# Allegro board 6089-103-RevB_76.brd (continued)
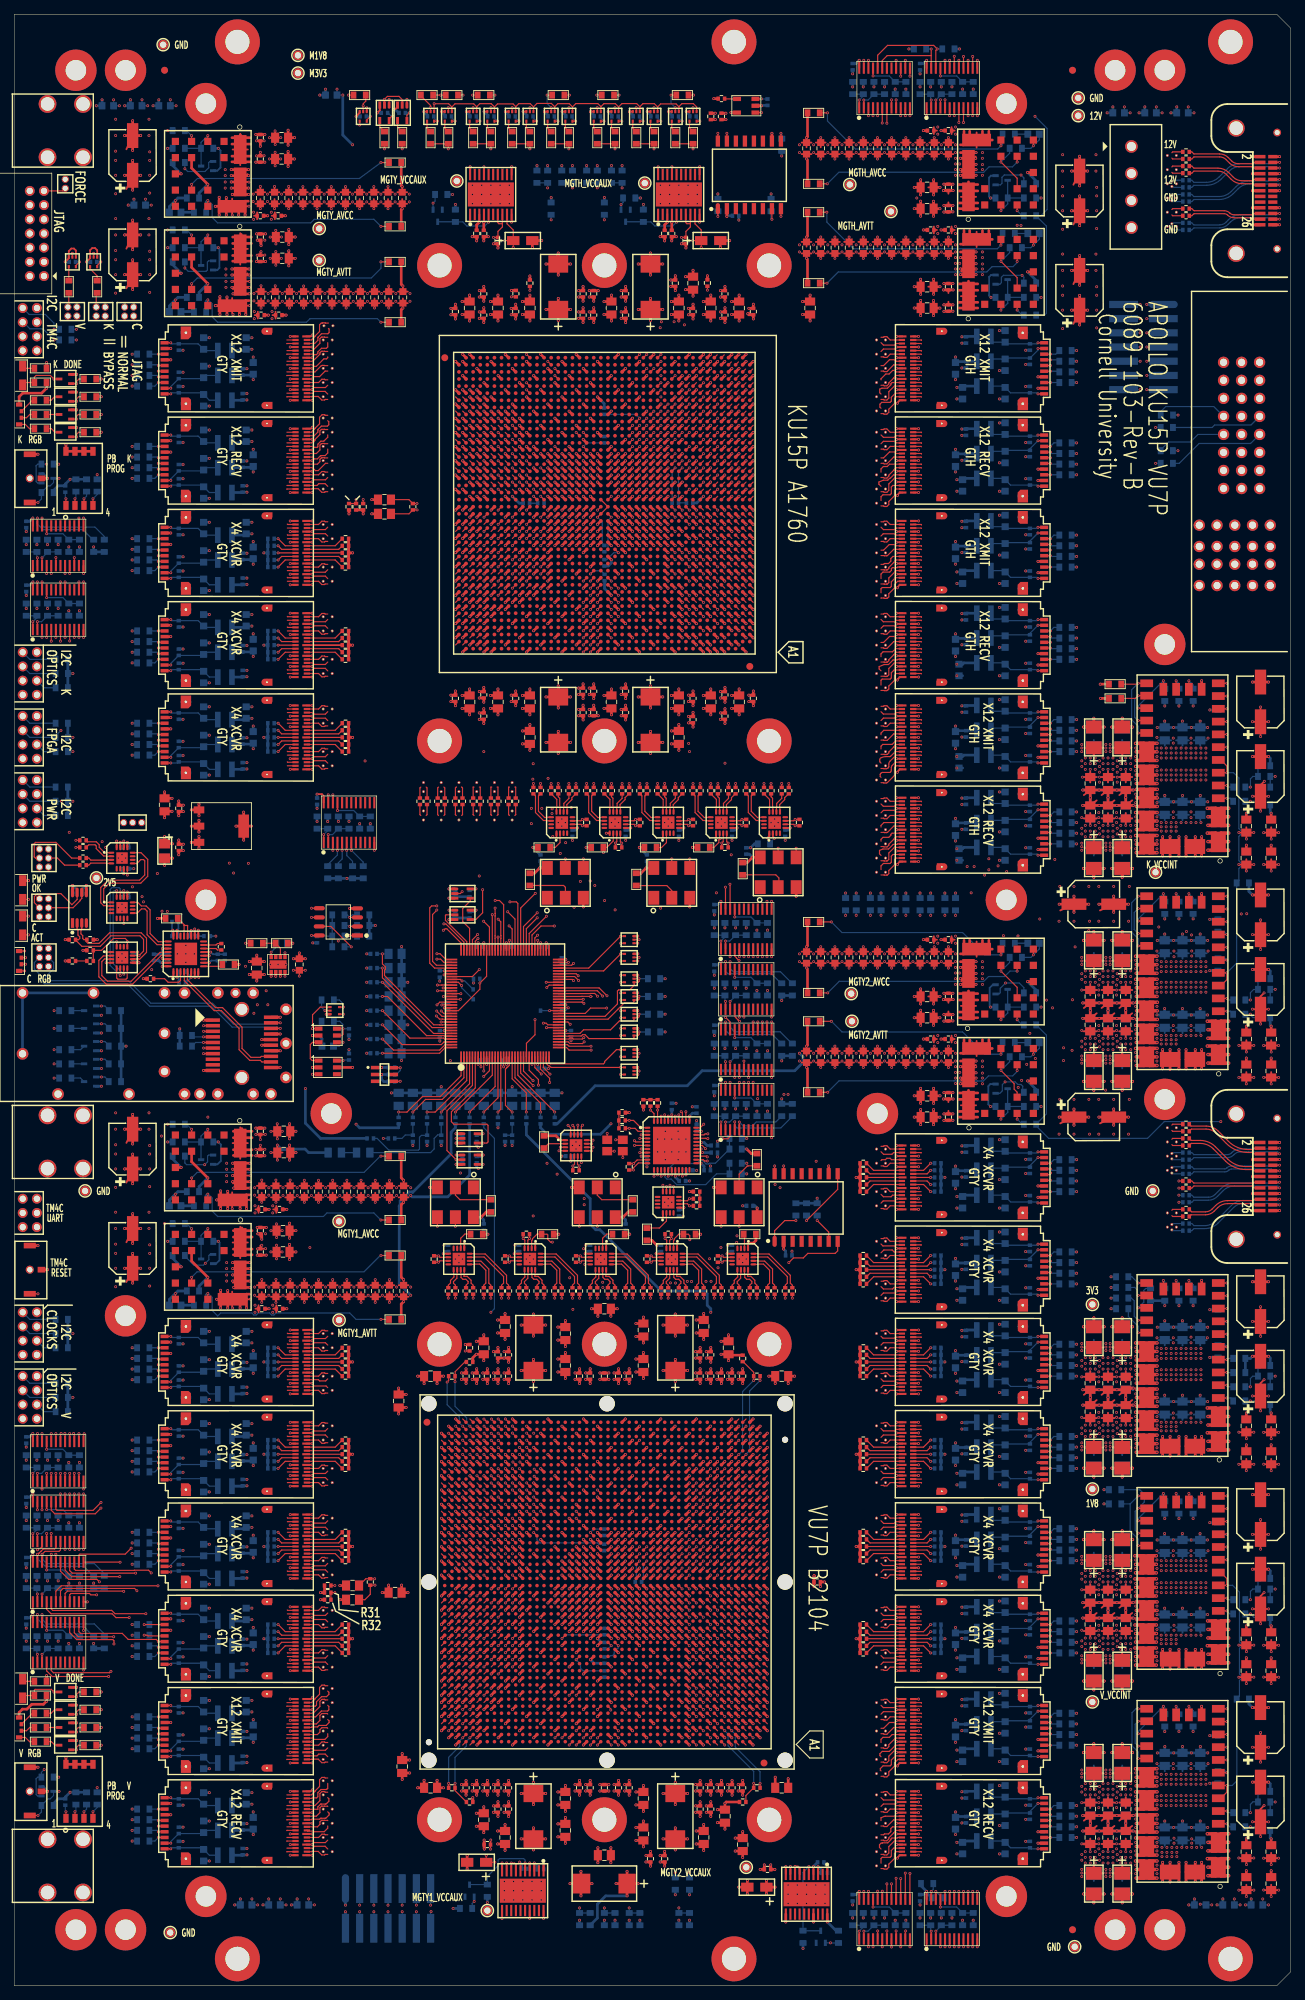
[diagram p0: board, top side]
## Routing (per net, layer and track width the routed paths; a pad name or vN(x,y) marks a point on that pad's centre or on a via; arc(x,y) is an arc through that point) (continued)
; U116.G2 141.47,40.18 ; U116.G2 141.79,39.97 ; U116.G2 142.19,41.84 ; U116.G2 142.91,40.18 ; U116.G2 141.25,40.9 ; U116.G2 141.47,41.62 ; 141.79,55.97 U114.G1 ; U114.G1 142.91,57.62 ; U114.G1 141.25,56.9 ; U114.G1 141.47,57.62 ; U114.G1 142.19,55.96 ; U114.G1 142.19,57.84 ; U114.G1 142.91,56.18 ; U114.G1 141.47,56.18 ; VA134.3 123.25,20.71 ; VA134.3 122.83,20.52 ; VA134.3 123.02,21.31 ; VA134.3 123.16,21.22 ; VA134.3 123.22,20.9 ; VA134.3 123.16,20.58 ; VA134.3 123.25,21.09 ; VA134.3 122.83,21.28 ; 3.53,251.57 J1.11 ; J1.11 4.2,250.02 ; J1.11 5.08,250.9 ; J1.11 4.2,251.78 ; J1.11 3.53,250.23 ; J1.11 4.87,251.57 ; J1.11 3.32,250.9 ; J1.11 4.87,250.23 ; 166.09,205.8 P1.P2-10 ; P1.P2-10 168.05,205.8 ; P1.P2-10 166.33,206.54 ; P1.P2-10 167.81,206.54 ; P1.P2-10 167.81,205.06 ; P1.P2-10 167.07,204.82 ; P1.P2-10 167.07,206.78 ; P1.P2-10 166.33,205.06 ; 43.24,26.58 43.56,26.9 ; 43.56,26.9 43.56,26.52 ; 43.56,26.9 43.15,26.71 ; 43.56,26.9 43.56,27.28 ; 43.56,26.9 43.18,26.9 ; 43.56,26.9 43.38,26.49 ; 43.56,26.9 43.24,27.22 ; 43.56,26.9 43.15,27.09 ; 43.18,190.9 43.56,190.9 ; 43.56,190.9 43.24,191.22 ; 43.56,190.9 43.56,191.28 ; 43.56,190.9 43.15,191.09 ; 43.56,190.9 43.56,190.52 ; 43.56,190.9 43.24,190.58 ; 43.56,190.9 43.38,190.49 ; 43.56,190.9 43.15,190.71 ; 162.38,257.49 VA137.4 ; VA137.4 162.24,257.58 ; VA137.4 162.56,258.28 ; VA137.4 162.24,258.22 ; VA137.4 162.15,258.09 ; VA137.4 162.18,257.9 ; VA137.4 162.56,257.52 ; VA137.4 162.15,257.71 ; VA102.4 122.83,116.28 ; VA102.4 123.16,116.22 ; VA102.4 123.22,115.9 ; VA102.4 123.02,116.31 ; VA102.4 123.25,116.09 ; VA102.4 122.83,115.52 ; VA102.4 123.16,115.58 ; VA102.4 123.25,115.71 ; VA110.4 123.25,89.71 ; VA110.4 123.16,90.22 ; VA110.4 123.22,89.9 ; VA110.4 122.83,89.52 ; VA110.4 122.83,90.28 ; VA110.4 123.02,90.31 ; VA110.4 123.25,90.09 ; VA110.4 123.16,89.58 ; 141.47,66.18 U114.G2 ; U114.G2 142.91,67.62 ; U114.G2 141.47,67.62 ; U114.G2 142.91,66.18 ; U114.G2 141.25,66.9 ; U114.G2 142.19,65.96 ; U114.G2 142.19,67.84 ; U114.G2 141.79,65.97 ; 23.49,223.62 U20.G2 ; U20.G2 24.93,223.62 ; U20.G2 24.21,223.84 ; U20.G2 23.49,222.18 ; U20.G2 24.93,222.18 ; U20.G2 23.81,221.97 ; U20.G2 25.15,222.9 ; U20.G2 24.21,221.96 ; 64.88,169.86 VA59.4 ; VA59.4 65.58,169.53 ; VA59.4 65.39,169.95 ; VA59.4 65.2,169.92 ; VA59.4 65.61,169.72 ; VA59.4 64.82,169.53 ; VA59.4 64.79,169.72 ; VA59.4 65.52,169.86 ; U13.39 24.77,139.14 ; U13.39 23.25,140.66 ; U13.39 23.01,139.9 ; U13.39 24.01,138.9 ; U13.39 23.25,139.14 ; U13.39 25.02,139.9 ; U13.39 24.01,140.9 ; U13.39 24.77,140.66 ; 43.15,179.71 43.56,179.9 ; 43.56,179.9 43.24,179.58 ; 43.56,179.9 43.56,180.28 ; 43.56,179.9 43.15,180.09 ; 43.56,179.9 43.24,180.22 ; 43.56,179.9 43.38,179.49 ; 43.56,179.9 43.56,179.52 ; 43.56,179.9 43.18,179.9 ; VA122.4 123.22,50.9 ; VA122.4 123.25,50.71 ; VA122.4 122.83,50.52 ; VA122.4 123.16,51.22 ; VA122.4 122.83,51.28 ; VA122.4 123.25,51.09 ; VA122.4 123.16,50.58 ; VA122.4 123.02,51.31 ; 43.18,59.9 43.56,59.9 ; 43.56,59.9 43.24,59.58 ; 43.56,59.9 43.56,60.28 ; 43.56,59.9 43.15,59.71 ; 43.56,59.9 43.15,60.09 ; 43.56,59.9 43.38,59.49 ; 43.56,59.9 43.56,59.52 ; 43.56,59.9 43.24,60.22 ; 121.24,77.22 VA114.3 ; VA114.3 121.15,76.71 ; VA114.3 121.56,76.52 ; VA114.3 121.18,76.9 ; VA114.3 121.15,77.09 ; VA114.3 121.56,77.28 ; VA114.3 121.38,76.49 ; VA114.3 121.24,76.58 ; VA49.4 45.02,23.31 ; VA49.4 44.84,23.28 ; VA49.4 45.16,23.22 ; VA49.4 44.84,22.52 ; VA49.4 45.22,22.9 ; VA49.4 45.16,22.58 ; VA49.4 45.25,22.71 ; VA49.4 45.25,23.09 ; 43.56,52.52 43.56,52.9 ; 43.56,52.9 43.38,52.49 ; 43.56,52.9 43.24,53.22 ; 43.56,52.9 43.15,53.09 ; 43.56,52.9 43.56,53.28 ; 43.56,52.9 43.24,52.58 ; 43.56,52.9 43.18,52.9 ; 43.56,52.9 43.15,52.71 ; U111.G1 142.19,96.84 ; U111.G1 142.91,95.18 ; U111.G1 141.79,94.97 ; U111.G1 142.19,94.96 ; U111.G1 142.91,96.62 ; U111.G1 141.25,95.9 ; U111.G1 141.47,96.62 ; U111.G1 141.47,95.18 ; VA36.4 45.02,53.31 ; VA36.4 45.16,53.22 ; VA36.4 45.16,52.58 ; VA36.4 44.84,53.28 ; VA36.4 45.25,53.09 ; VA36.4 44.84,52.52 ; VA36.4 45.25,52.71 ; VA36.4 45.22,52.9 ; 121.15,185.09 VA87.4 ; VA87.4 121.18,184.9 ; VA87.4 121.56,185.28 ; VA87.4 121.38,184.49 ; VA87.4 121.24,185.22 ; VA87.4 121.56,184.52 ; VA87.4 121.15,184.71 ; VA87.4 121.24,184.58 ; 121.56,44.52 VA124.4 ; VA124.4 121.15,44.71 ; VA124.4 121.56,45.28 ; VA124.4 121.15,45.09 ; VA124.4 121.18,44.9 ; VA124.4 121.24,45.22 ; VA124.4 121.24,44.58 ; VA124.4 121.38,44.49 ; 43.56,177.52 43.56,177.9 ; 43.56,177.9 43.24,178.22 ; 43.56,177.9 43.24,177.58 ; 43.56,177.9 43.15,178.09 ; 43.56,177.9 43.38,177.49 ; 43.56,177.9 43.56,178.28 ; 43.56,177.9 43.15,177.71 ; 43.56,177.9 43.18,177.9 ; 43.15,18.71 43.56,18.9 ; 43.56,18.9 43.24,19.22 ; 43.56,18.9 43.56,19.28 ; 43.56,18.9 43.56,18.52 ; 43.56,18.9 43.15,19.09 ; 43.56,18.9 43.24,18.58 ; 43.56,18.9 43.38,18.49 ; 43.56,18.9 43.18,18.9 ; 57.7,164.26 58.11,164.08 ; 57.7,164.26 57.38,163.94 ; 57.7,164.26 58.08,164.26 ; 57.7,164.26 58.02,163.94 ; 57.7,164.26 57.51,163.85 ; 57.7,164.26 57.7,163.88 ; 57.7,164.26 57.32,164.26 ; 57.7,164.26 57.29,164.08 ; 43.15,38.09 43.56,37.9 ; 43.56,37.9 43.38,37.49 ; 43.56,37.9 43.18,37.9 ; 43.56,37.9 43.56,37.52 ; 43.56,37.9 43.24,37.58 ; 43.56,37.9 43.15,37.71 ; 43.56,37.9 43.56,38.28 ; 43.56,37.9 43.24,38.22 ; VA20.4 45.16,179.58 ; VA20.4 44.84,179.52 ; VA20.4 45.22,179.9 ; VA20.4 44.84,180.28 ; VA20.4 45.25,180.09 ; VA20.4 45.25,179.71 ; VA20.4 45.02,180.31 ; VA20.4 45.16,180.22 ; 162.18,251.9 VA140.4 ; VA140.4 162.38,251.49 ; VA140.4 162.24,251.58 ; VA140.4 162.15,251.71 ; VA140.4 162.56,252.28 ; VA140.4 162.56,251.52 ; VA140.4 162.24,252.22 ; VA140.4 162.15,252.09 ; 69.82,169.53 VA63.4 ; VA63.4 70.2,169.92 ; VA63.4 69.88,169.86 ; VA63.4 70.39,169.95 ; VA63.4 70.58,169.53 ; VA63.4 70.52,169.86 ; VA63.4 69.79,169.72 ; VA63.4 70.61,169.72 ; VA99.3 123.25,158.71 ; VA99.3 123.16,159.22 ; VA99.3 123.16,158.58 ; VA99.3 122.83,158.52 ; VA99.3 123.25,159.09 ; VA99.3 122.83,159.28 ; VA99.3 123.22,158.9 ; VA99.3 123.02,159.31 ; VA21.4 45.16,177.58 ; VA21.4 45.16,178.22 ; VA21.4 44.84,178.28 ; VA21.4 44.84,177.52 ; VA21.4 45.22,177.9 ; VA21.4 45.25,177.71 ; VA21.4 45.02,178.31 ; VA21.4 45.25,178.09 ; 3.32,240.9 J1.1 ; J1.1 3.53,240.23 ; J1.1 5.08,240.9 ; J1.1 4.2,241.78 ; J1.1 4.87,240.23 ; J1.1 4.2,240.02 ; J1.1 4.87,241.57 ; J1.1 3.53,241.57 ; 163.84,120.9 164.02,121.31 ; 163.84,120.9 164.25,121.09 ; 163.84,120.9 164.16,121.22 ; 163.84,120.9 164.16,120.58 ; 163.84,120.9 163.84,120.52 ; 163.84,120.9 163.84,121.28 ; 163.84,120.9 164.25,120.71 ; 163.84,120.9 164.22,120.9 ; 163.84,114.9 164.16,114.58 ; 163.84,114.9 163.84,114.52 ; 163.84,114.9 164.16,115.22 ; 163.84,114.9 164.22,114.9 ; 163.84,114.9 164.25,114.71 ; 163.84,114.9 164.25,115.09 ; 163.84,114.9 163.84,115.28 ; 163.84,114.9 164.02,115.31 ; VA132.3 123.02,25.31 ; VA132.3 123.25,24.71 ; VA132.3 123.16,24.58 ; VA132.3 123.16,25.22 ; VA132.3 123.22,24.9 ; VA132.3 122.83,24.52 ; VA132.3 122.83,25.28 ; VA132.3 123.25,25.09 ; U13.22 34.45,140.66 ; U13.22 33.69,138.9 ; U13.22 33.69,140.9 ; U13.22 32.69,139.9 ; U13.22 32.93,140.66 ; U13.22 34.69,139.9 ; U13.22 32.93,139.14 ; U13.22 34.45,139.14 ; 65.2,167.88 65.2,168.26 ; 65.2,168.26 65.52,167.94 ; 65.2,168.26 64.88,167.94 ; 65.2,168.26 65.61,168.08 ; 65.2,168.26 65.01,167.85 ; 65.2,168.26 64.82,168.26 ; 65.2,168.26 65.58,168.26 ; 65.2,168.26 64.79,168.08 ; VA126.3 123.25,37.71 ; VA126.3 123.16,37.58 ; VA126.3 123.22,37.9 ; VA126.3 122.83,38.28 ; VA126.3 123.25,38.09 ; VA126.3 123.16,38.22 ; VA126.3 123.02,38.31 ; VA126.3 122.83,37.52 ; 43.15,217.09 43.56,216.9 ; 43.56,216.9 43.56,217.28 ; 43.56,216.9 43.18,216.9 ; 43.56,216.9 43.15,216.71 ; 43.56,216.9 43.56,216.52 ; 43.56,216.9 43.24,216.58 ; 43.56,216.9 43.38,216.49 ; 43.56,216.9 43.24,217.22 ; 23.81,192.97 U23.G1 ; U23.G1 25.15,193.9 ; U23.G1 23.49,194.62 ; U23.G1 24.21,194.84 ; U23.G1 24.93,193.18 ; U23.G1 23.49,193.18 ; U23.G1 24.93,194.62 ; U23.G1 24.21,192.96 ; 162.15,119.09 VA144.4 ; VA144.4 162.24,119.22 ; VA144.4 162.38,118.49 ; VA144.4 162.24,118.58 ; VA144.4 162.56,118.52 ; VA144.4 162.56,119.28 ; VA144.4 162.18,118.9 ; VA144.4 162.15,118.71 ; 24.21,52.96 U28.G1 ; U28.G1 24.93,54.62 ; U28.G1 23.49,54.62 ; U28.G1 23.81,52.97 ; U28.G1 25.15,53.9 ; U28.G1 23.49,53.18 ; U28.G1 24.21,54.84 ; U28.G1 24.93,53.18 ; VA44.4 44.84,34.28 ; VA44.4 45.02,34.31 ; VA44.4 45.16,34.22 ; VA44.4 45.25,33.71 ; VA44.4 45.25,34.09 ; VA44.4 44.84,33.52 ; VA44.4 45.16,33.58 ; VA44.4 45.22,33.9 ; VA134.4 121.56,21.28 ; VA134.4 121.15,21.09 ; VA134.4 121.24,20.58 ; VA134.4 121.24,21.22 ; VA134.4 121.18,20.9 ; VA134.4 121.38,20.49 ; VA134.4 121.56,20.52 ; VA134.4 121.15,20.71 ; VA109.4 123.16,91.58 ; VA109.4 123.22,91.9 ; VA109.4 123.16,92.22 ; VA109.4 123.25,92.09 ; VA109.4 123.25,91.71 ; VA109.4 123.02,92.31 ; VA109.4 122.83,92.28 ; VA109.4 122.83,91.52 ; U30.G2 24.93,17.18 ; U30.G2 23.81,16.97 ; U30.G2 24.21,18.84 ; U30.G2 25.15,17.9 ; U30.G2 24.21,16.96 ; U30.G2 23.49,18.62 ; U30.G2 24.93,18.62 ; U30.G2 23.49,17.18 ; 43.24,214.58 43.56,214.9 ; 43.56,214.9 43.24,215.22 ; 43.56,214.9 43.38,214.49 ; 43.56,214.9 43.56,215.28 ; 43.56,214.9 43.15,215.09 ; 43.56,214.9 43.18,214.9 ; 43.56,214.9 43.56,214.52 ; 43.56,214.9 43.15,214.71 ; 43.56,39.9 43.56,40.28 ; 43.56,39.9 43.24,39.58 ; 43.56,39.9 43.56,39.52 ; 43.56,39.9 43.18,39.9 ; 43.56,39.9 43.38,39.49 ; 43.56,39.9 43.24,40.22 ; 43.56,39.9 43.15,40.09 ; 43.56,39.9 43.15,39.71 ; VA18.3 45.16,187.22 ; VA18.3 45.02,187.31 ; VA18.3 45.22,186.9 ; VA18.3 44.84,186.52 ; VA18.3 45.25,187.09 ; VA18.3 45.25,186.71 ; VA18.3 44.84,187.28 ; VA18.3 45.16,186.58 ; 121.56,117.52 VA101.3 ; VA101.3 121.24,118.22 ; VA101.3 121.56,118.28 ; VA101.3 121.38,117.49 ; VA101.3 121.24,117.58 ; VA101.3 121.18,117.9 ; VA101.3 121.15,118.09 ; VA101.3 121.15,117.71 ; U13.38 21.86,140.57 ; U13.38 21.19,140.78 ; U13.38 21.19,139.02 ; U13.38 20.52,140.57 ; U13.38 22.07,139.9 ; U13.38 20.32,139.9 ; U13.38 20.52,139.23 ; U13.38 21.86,139.23 ; VA123.3 123.22,46.9 ; VA123.3 123.16,47.22 ; VA123.3 123.16,46.58 ; VA123.3 123.02,47.31 ; VA123.3 122.83,47.28 ; VA123.3 123.25,46.71 ; VA123.3 123.25,47.09 ; VA123.3 122.83,46.52 ; 62.32,168.26 62.7,168.26 ; 62.7,168.26 62.51,167.85 ; 62.7,168.26 62.38,167.94 ; 62.7,168.26 63.08,168.26 ; 62.7,168.26 63.11,168.08 ; 62.7,168.26 62.7,167.88 ; 62.7,168.26 63.02,167.94 ; 62.7,168.26 62.29,168.08 ; VA11.4 45.16,210.58 ; VA11.4 44.84,211.28 ; VA11.4 45.25,211.09 ; VA11.4 45.16,211.22 ; VA11.4 45.25,210.71 ; VA11.4 45.02,211.31 ; VA11.4 44.84,210.52 ; VA11.4 45.22,210.9 ; VA62.4 68.08,165.53 ; VA62.4 67.7,165.92 ; VA62.4 67.32,165.53 ; VA62.4 68.11,165.72 ; VA62.4 68.02,165.86 ; VA62.4 67.38,165.86 ; VA62.4 67.89,165.95 ; VA62.4 67.29,165.72 ; VA97.3 123.16,162.58 ; VA97.3 122.83,163.28 ; VA97.3 123.16,163.22 ; VA97.3 123.25,163.09 ; VA97.3 123.25,162.71 ; VA97.3 123.02,163.31 ; VA97.3 122.83,162.52 ; VA97.3 123.22,162.9 ; VA100.3 123.16,157.22 ; VA100.3 123.22,156.9 ; VA100.3 123.16,156.58 ; VA100.3 122.83,157.28 ; VA100.3 122.83,156.52 ; VA100.3 123.25,156.71 ; VA100.3 123.25,157.09 ; VA100.3 123.02,157.31 ; U13.36 21.19,135.09 ; U13.36 20.52,133.54 ; U13.36 20.32,134.21 ; U13.36 21.86,134.88 ; U13.36 21.19,133.33 ; U13.36 20.52,134.88 ; U13.36 22.07,134.21 ; U13.36 21.86,133.54 ; U26.G1 24.93,80.62 ; U26.G1 24.93,79.18 ; U26.G1 23.81,78.97 ; U26.G1 24.21,78.96 ; U26.G1 23.49,80.62 ; U26.G1 23.49,79.18 ; U26.G1 24.21,80.84 ; U26.G1 25.15,79.9 ; VA23.3 45.02,172.31 ; VA23.3 45.25,172.09 ; VA23.3 45.16,172.22 ; VA23.3 45.16,171.58 ; VA23.3 45.25,171.71 ; VA23.3 44.84,172.28 ; VA23.3 44.84,171.52 ; VA23.3 45.22,171.9 ; U13.29 27.07,125.65 ; U13.29 26.2,126.53 ; U13.29 25.53,124.98 ; U13.29 25.53,126.32 ; U13.29 26.2,124.77 ; U13.29 26.87,126.32 ; U13.29 25.32,125.65 ; U13.29 26.87,124.98 ; 5.51,126.32 6.18,125.65 ; 6.18,125.65 6.18,126.53 ; 6.18,125.65 6.85,126.32 ; 6.18,125.65 6.85,124.98 ; 6.18,125.65 5.3,125.65 ; 6.18,125.65 7.06,125.65 ; 6.18,125.65 5.51,124.98 ; 6.18,125.65 6.18,124.77 ; 121.15,162.71 VA97.4 ; VA97.4 121.18,162.9 ; VA97.4 121.24,163.22 ; VA97.4 121.56,162.52 ; VA97.4 121.56,163.28 ; VA97.4 121.24,162.58 ; VA97.4 121.38,162.49 ; VA97.4 121.15,163.09 ; J4.7 1.2,173.78 ; J4.7 1.87,172.23 ; J4.7 1.58,173.77 ; J4.7 1.87,173.57 ; J4.7 2.07,173.28 ; J4.7 2.08,172.9 ; J4.7 1.2,172.02 ; J4.7 2.07,172.52 ; VA7.4 45.02,219.31 ; VA7.4 44.84,219.28 ; VA7.4 45.16,218.58 ; VA7.4 45.22,218.9 ; VA7.4 45.25,218.71 ; VA7.4 45.25,219.09 ; VA7.4 45.16,219.22 ; VA7.4 44.84,218.52 ; U25.G2 24.21,83.84 ; U25.G2 23.49,82.18 ; U25.G2 23.81,81.97 ; U25.G2 25.15,82.9 ; U25.G2 23.49,83.62 ; U25.G2 24.93,83.62 ; U25.G2 24.93,82.18 ; U25.G2 24.21,81.96 ; 43.24,35.58 43.56,35.9 ; 43.56,35.9 43.56,36.28 ; 43.56,35.9 43.38,35.49 ; 43.56,35.9 43.24,36.22 ; 43.56,35.9 43.15,36.09 ; 43.56,35.9 43.15,35.71 ; 43.56,35.9 43.56,35.52 ; 43.56,35.9 43.18,35.9 ; 23.81,195.97 U22.G2 ; U22.G2 25.15,196.9 ; U22.G2 24.93,197.62 ; U22.G2 24.21,197.84 ; U22.G2 24.21,195.96 ; U22.G2 24.93,196.18 ; U22.G2 23.49,196.18 ; U22.G2 23.49,197.62 ; 15.52,126.32 U13.31 ; U13.31 16.19,124.77 ; U13.31 17.07,125.65 ; U13.31 16.86,124.98 ; U13.31 16.86,126.32 ; U13.31 15.52,124.98 ; U13.31 15.31,125.65 ; U13.31 16.19,126.53 ; 43.24,205.58 43.56,205.9 ; 43.56,205.9 43.56,205.52 ; 43.56,205.9 43.38,205.49 ; 43.56,205.9 43.15,205.71 ; 43.56,205.9 43.24,206.22 ; 43.56,205.9 43.18,205.9 ; 43.56,205.9 43.15,206.09 ; 43.56,205.9 43.56,206.28 ; 121.18,115.9 VA102.3 ; VA102.3 121.24,116.22 ; VA102.3 121.56,116.28 ; VA102.3 121.38,115.49 ; VA102.3 121.15,115.71 ; VA102.3 121.56,115.52 ; VA102.3 121.24,115.58 ; VA102.3 121.15,116.09 ; 67.32,164.26 67.7,164.26 ; 67.7,164.26 67.29,164.08 ; 67.7,164.26 68.08,164.26 ; 67.7,164.26 68.11,164.08 ; 67.7,164.26 68.02,163.94 ; 67.7,164.26 67.51,163.85 ; 67.7,164.26 67.7,163.88 ; 67.7,164.26 67.38,163.94 ; 43.15,34.09 43.56,33.9 ; 43.56,33.9 43.15,33.71 ; 43.56,33.9 43.24,33.58 ; 43.56,33.9 43.38,33.49 ; 43.56,33.9 43.24,34.22 ; 43.56,33.9 43.18,33.9 ; 43.56,33.9 43.56,33.52 ; 43.56,33.9 43.56,34.28 ; VA19.3 45.16,185.22 ; VA19.3 45.25,184.71 ; VA19.3 44.84,184.52 ; VA19.3 44.84,185.28 ; VA19.3 45.22,184.9 ; VA19.3 45.25,185.09 ; VA19.3 45.16,184.58 ; VA19.3 45.02,185.31 ; VA128.4 121.56,34.28 ; VA128.4 121.15,33.71 ; VA128.4 121.38,33.49 ; VA128.4 121.56,33.52 ; VA128.4 121.15,34.09 ; VA128.4 121.24,33.58 ; VA128.4 121.24,34.22 ; VA128.4 121.18,33.9 ; 43.38,212.49 43.56,212.9 ; 43.56,212.9 43.15,212.71 ; 43.56,212.9 43.56,212.52 ; 43.56,212.9 43.18,212.9 ; 43.56,212.9 43.24,213.22 ; 43.56,212.9 43.15,213.09 ; 43.56,212.9 43.24,212.58 ; 43.56,212.9 43.56,213.28 ; 43.15,199.71 43.56,199.9 ; 43.56,199.9 43.56,199.52 ; 43.56,199.9 43.24,199.58 ; 43.56,199.9 43.56,200.28 ; 43.56,199.9 43.18,199.9 ; 43.56,199.9 43.15,200.09 ; 43.56,199.9 43.24,200.22 ; 43.56,199.9 43.38,199.49 ; 141.47,44.62 U115.G1 ; U115.G1 142.19,44.84 ; U115.G1 142.91,44.62 ; U115.G1 141.47,43.18 ; U115.G1 141.25,43.9 ; U115.G1 141.79,42.97 ; U115.G1 142.91,43.18 ; U115.G1 142.19,42.96 ; 43.24,204.22 43.56,203.9 ; 43.56,203.9 43.18,203.9 ; 43.56,203.9 43.56,203.52 ; 43.56,203.9 43.38,203.49 ; 43.56,203.9 43.15,204.09 ; 43.56,203.9 43.15,203.71 ; 43.56,203.9 43.24,203.58 ; 43.56,203.9 43.56,204.28 ; U107.G2 142.91,193.18 ; U107.G2 141.47,193.18 ; U107.G2 142.19,194.84 ; U107.G2 142.91,194.62 ; U107.G2 141.47,194.62 ; U107.G2 142.19,192.96 ; U107.G2 141.25,193.9 ; U107.G2 141.79,192.97 ; VA58.4 62.7,165.92 ; VA58.4 62.29,165.72 ; VA58.4 62.38,165.86 ; VA58.4 63.02,165.86 ; VA58.4 62.89,165.95 ; VA58.4 62.32,165.53 ; VA58.4 63.11,165.72 ; VA58.4 63.08,165.53 ; 121.38,201.49 VA79.4 ; VA79.4 121.15,202.09 ; VA79.4 121.24,202.22 ; VA79.4 121.56,202.28 ; VA79.4 121.24,201.58 ; VA79.4 121.15,201.71 ; VA79.4 121.18,201.9 ; VA79.4 121.56,201.52 ; 43.24,73.22 43.56,72.9 ; 43.56,72.9 43.38,72.49 ; 43.56,72.9 43.56,73.28 ; 43.56,72.9 43.18,72.9 ; 43.56,72.9 43.56,72.52 ; 43.56,72.9 43.24,72.58 ; 43.56,72.9 43.15,72.71 ; 43.56,72.9 43.15,73.09